# Altium PCB MAIN.PcbDoc (part 1 of 2) (continued)
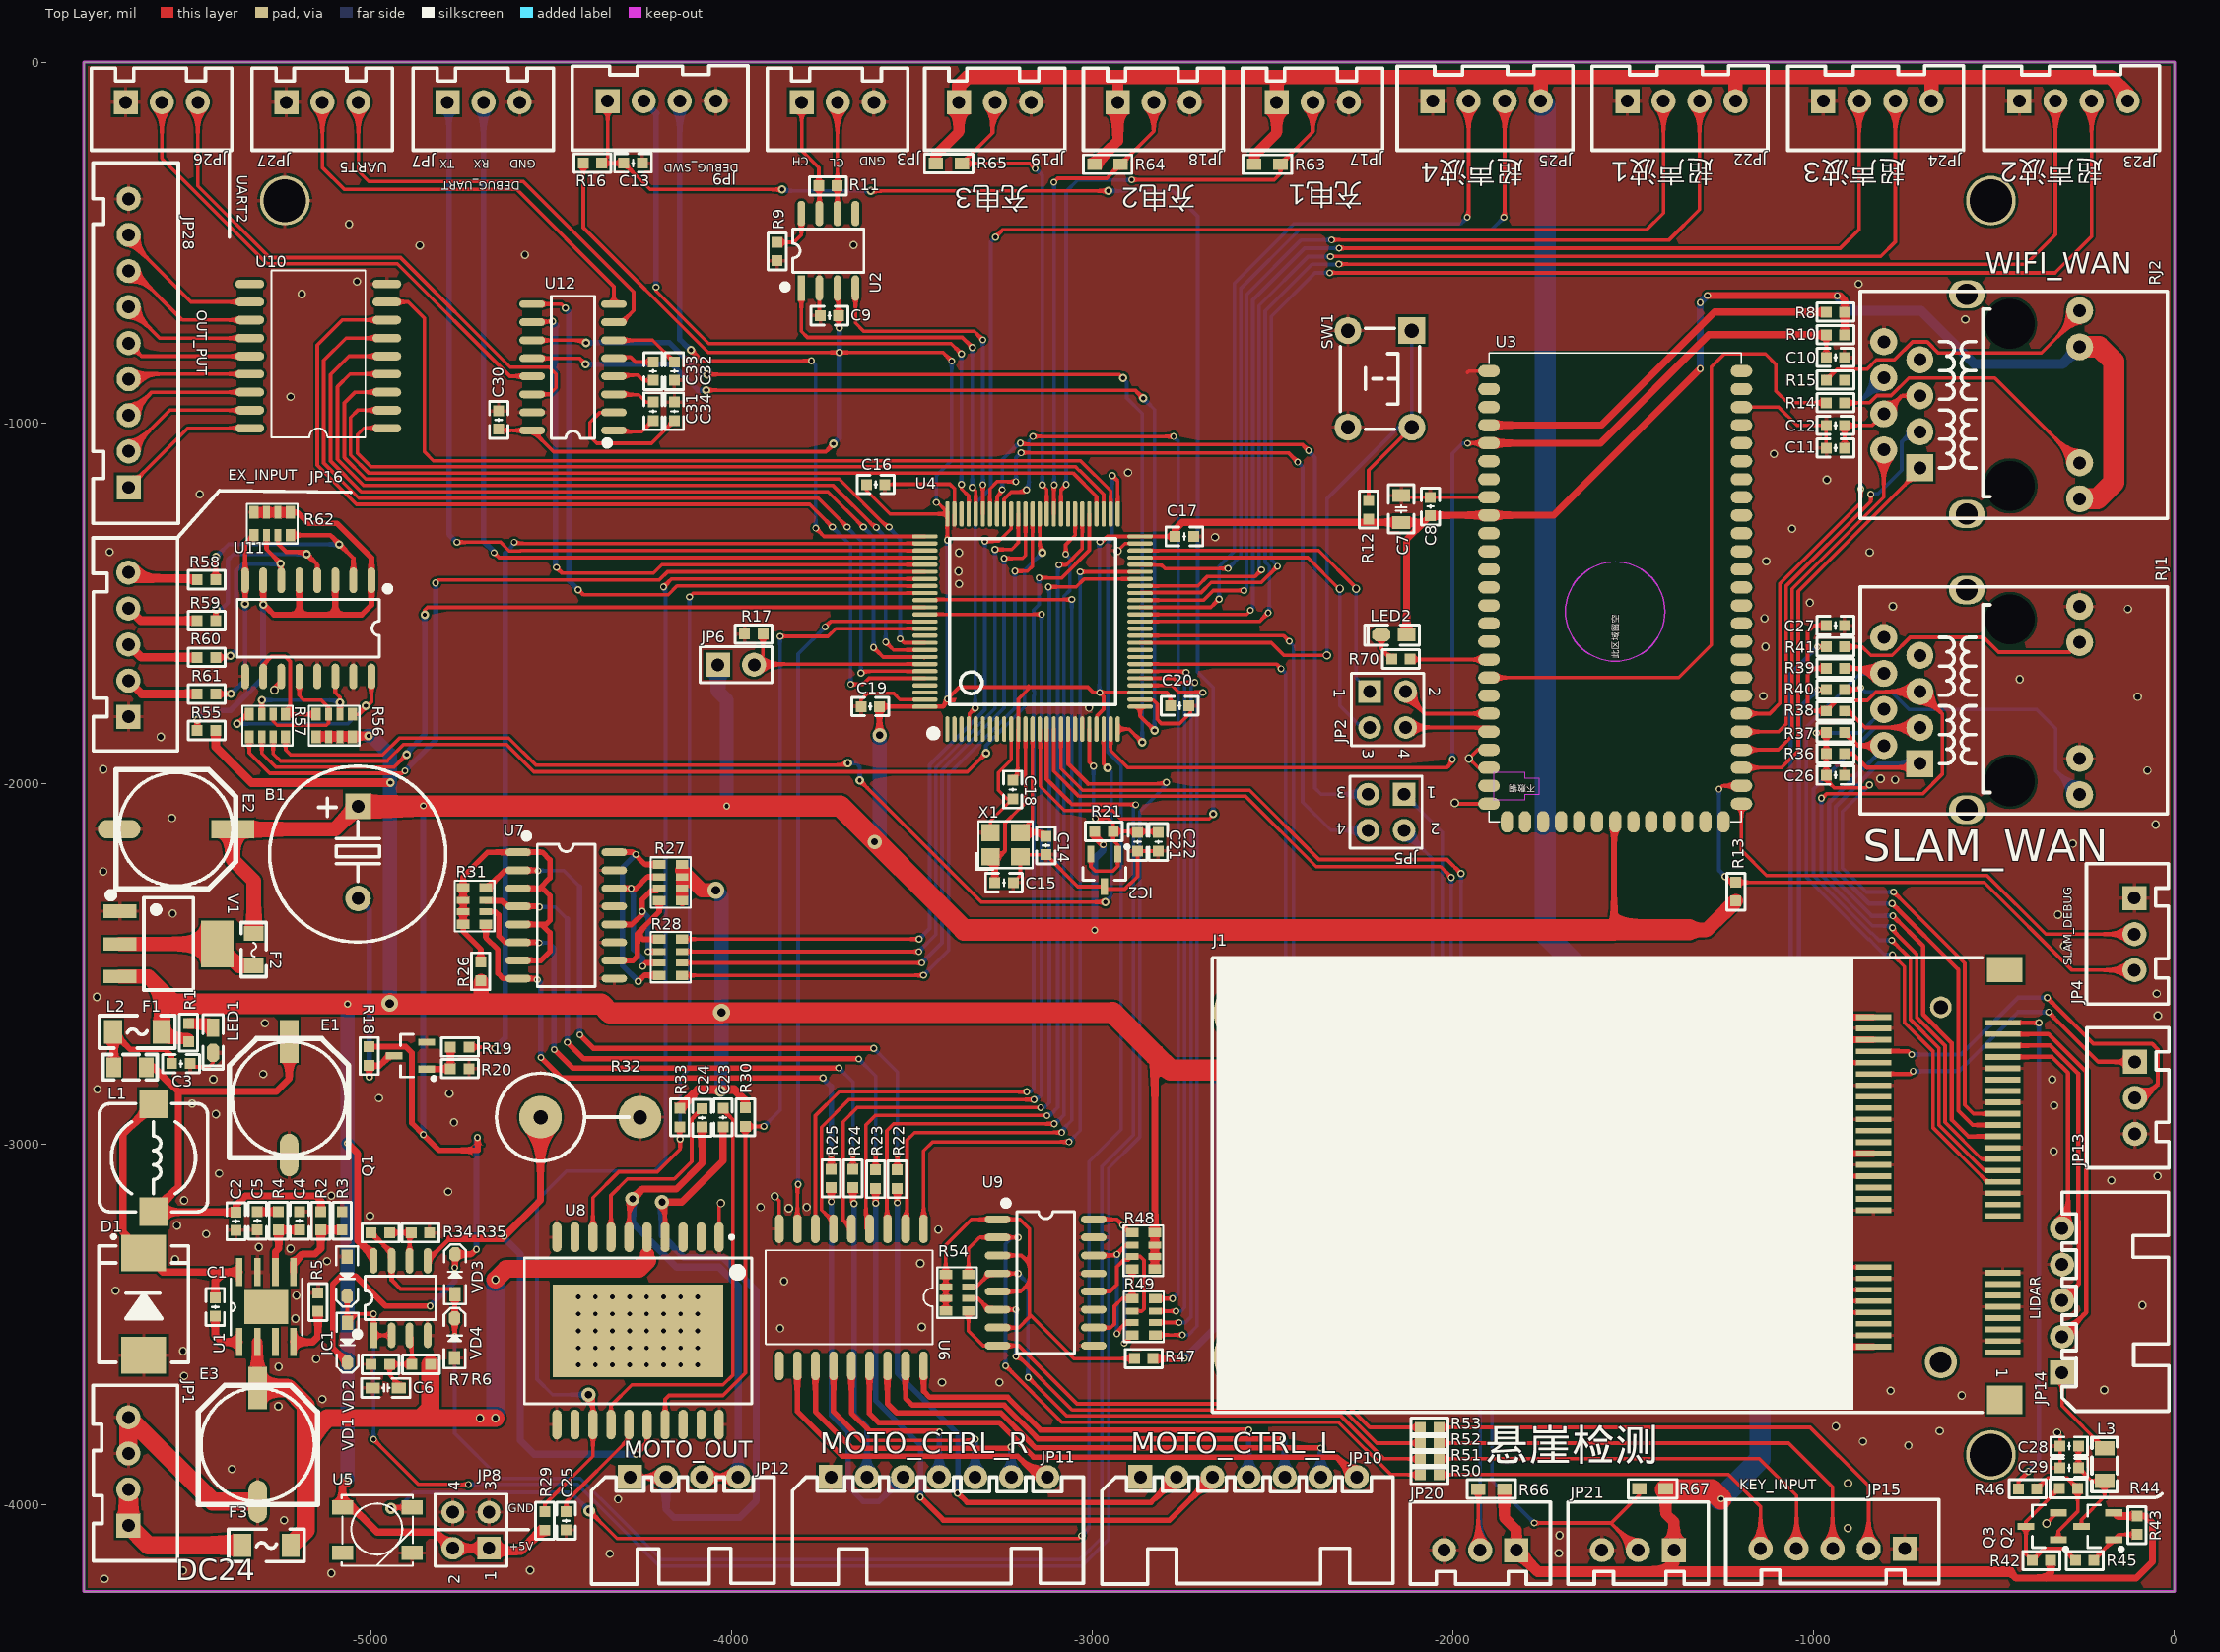
[diagram p0: Top Layer view]
## Footprints (in the part's own frame and the unit in brackets; to place one, negate y for a bottom-side part, rotate by r counter-clockwise, add the part's x,y. Pads: shape width x height; smd on the part's side, far side on the other; paste and mask are expansions set on the pad) (continued)
MINI_PCIE [mm]
  round 2.286 hole 1.524: 0(0.057,-0.073)
  round 1.524 hole 0.991: 0(0.057,24.927)
  rect 2.5x0.4 smd: 1(4.407,0.627) 2(-4.693,1.027) 3(4.407,1.427) 4(-4.693,1.827) 5(4.407,2.227) 6(-4.693,2.627) 7(4.407,3.027) 8(-4.693,3.427) 9(4.407,3.827) 10(-4.693,4.227) 11(4.407,4.627) 12(-4.693,5.027) 13(4.407,5.427) 14(-4.693,5.827) 15(4.407,6.227) 16(-4.693,6.627) 17(4.407,10.227) 18(-4.693,10.627) 19(4.407,11.027) 20(-4.693,11.427) 21(4.407,11.827) 22(-4.693,12.227) 23(4.407,12.627) 24(-4.693,13.027) 25(4.407,13.427) 26(-4.693,13.827) 27(4.407,14.227) 28(-4.693,14.627) 29(4.407,15.027) 30(-4.693,15.427) 31(4.407,15.827) 32(-4.693,16.227) 33(4.407,16.627) 34(-4.693,17.027) 35(4.407,17.427) 36(-4.693,17.827) 37(4.407,18.227) 38(-4.693,18.627) 39(4.407,19.027) 40(-4.693,19.427) 41(4.407,19.827) 42(-4.693,20.227) 43(4.407,20.627) 44(-4.693,21.027) 45(4.407,21.427) 46(-4.693,21.827) 47(4.407,22.227) 48(-4.693,22.627) 49(4.407,23.027) 50(-4.693,23.427) 51(4.407,23.827) 52(-4.693,24.227)
  round 5 hole 3: 53(-48.643,24.547) 54(-48.643,0.311)
  rect 2.5x1.8 smd: 55(4.557,27.577)
  rect 2.5x2 smd: 56(4.557,-2.723)
  silkscreen extent -51.25,-3.61 2.97,28.4, body extent -6.39,-3.65 6.17,28.5, height 1.7
"OSC 3225-4P" [mm]
  rect 1.3x1.2 smd: 1(-1.05,-0.85) 2(1.05,-0.85) 3(1.05,0.85) 4(-1.05,0.85)
  silkscreen extent -2.03,-1.75 1.91,1.65, body extent -1.6,-1.25 1.6,1.25, height 0.7
"R 0603_L" [mil]
  rect 30x30 smd: 1(-25.59,0) 2(25.59,0)
  silkscreen extent -51,-26 51,26, body extent -31,-16 32,16, height 16
"R 0603_M" [mil]
  rect 40x31.5 smd: 1(-36.5,0) 2(36.5,0)
  silkscreen extent -68,-26 68,26, body extent -31,-16 32,16, height 16
RCA-8P4R-0603 [mm]
  rect 0.65x0.9 smd: 1(-1.28,-0.8) 4(1.28,-0.8) 5(1.28,0.8) 8(-1.28,0.8)
  rect 0.5x0.9 smd: 2(-0.4,-0.8) 3(0.4,-0.8) 6(0.4,0.8) 7(-0.4,0.8)
  silkscreen extent -1.78,-1.4 1.78,1.4, body extent -1.6,-0.8 1.6,0.8, height 0.6
RJ-45A12 [mm]
  oval 2x2.5 hole 1.5: 0(-7.695,3.05) 0(7.785,3.05)
  round 3.302 hole 3.5: 0(-5.715,0) 0(5.715,0)
  rect 1.905x1.905 hole 0.9: 1(-4.445,6.35)
  round 1.905 hole 0.9: 2(-3.175,8.89) 3(-1.905,6.35) 4(-0.635,8.89) 5(0.635,6.35) 6(1.905,8.89) 7(3.175,6.35) 8(4.445,8.89) 9(-6.625,-4.9) 10(-4.085,-4.9) 11(4.085,-4.9) 12(6.625,-4.9)
  silkscreen extent -8,-11.1 8,10.54, body extent -7.97,-10.93 7.91,10.47, height 1.5
"RS 3W-V7" [mm]
  round 3 hole 1: 1(0,0) 2(7,0)
  silkscreen extent -3.1,-3.1 6.2,3.1, body extent -3.01,-3.01 7.4,3.01, height 19.9
SMC [mm]
  rect 2.6x3.15 smd: 1(-3.6,0) 2(3.6,0)
  silkscreen extent -4.1,-3.15 4.87,3.15, body extent -3.95,-2.9 3.95,2.9, height 2.45
SO-G18 [mil]
  oval 80x24 smd: 1(0,0) 2(0,-50) 3(0,-100) 4(0,-150) 5(0,-200) 6(0,-250) 7(0,-300) 8(0,-350) 9(0,-400) 10(380,-400) 11(380,-350) 12(380,-300) 13(380,-250) 14(380,-200) 15(380,-150) 16(380,-100) 17(380,-50) 18(380,0)
  silkscreen extent 60,-438 320,25
SO_PowerSO20 [mm]
  oval 0.65x2.1 smd: 1(-0.008,0.209) 2(1.262,0.209) 3(2.532,0.209) 4(3.802,0.209) 5(5.072,0.209) 6(6.342,0.209) 7(7.612,0.209) 8(8.882,0.209) 9(10.152,0.209) 10(11.422,0.209) 11(11.422,13.41) 12(10.152,13.41) 13(8.882,13.41) 14(7.612,13.41) 15(6.342,13.41) 16(5.072,13.41) 17(3.802,13.41) 18(2.532,13.41) 19(1.262,13.41) 20(-0.008,13.41)
  rect 12x6.5 smd: 21(5.707,6.81)
  silkscreen extent -2.29,0.08 13.71,11.93, body extent -2.29,1.31 13.71,12.31, height 3.6
SOD-323 [mm]
  rect 1x0.8 smd: 1(-1.4,0)
  oct 1x0.8 smd: 2(1.4,0)
  silkscreen extent -2.11,-0.76 2.11,0.76, body extent -1.34,-0.63 1.31,0.67, height 1
SOP8_1 [mil]
  rect 78x18.14 smd: 1(-100.1,75.9) 2(-100.1,25.9) 3(-100.1,-24.1) 4(-100.1,-74.1) 5(93.9,-74.1) 6(93.9,-24.1) 7(93.9,25.9) 8(93.9,75.9)
  rect 94x122 smd: 9(-3.1,0.9)
  silkscreen extent -82,-98 75,99
SOP8_N [mm]
  rect 1.8x0.55 smd: 1(-2.625,1.905)
  oval 1.8x0.55 smd: 2(-2.625,0.635) 3(-2.625,-0.635) 4(-2.625,-1.905) 5(2.625,-1.905) 6(2.625,-0.635) 7(2.625,0.635) 8(2.625,1.905)
  silkscreen extent -2.69,-2.5 1.52,3.2, body extent -3,-2.5 3,2.5, height 1.9
SOP16_n [mm]
  oval 1.8x0.55 smd: 1(-2.877,4.445) 2(-2.877,3.175) 3(-2.877,1.905) 4(-2.877,0.635) 5(-2.877,-0.635) 6(-2.877,-1.905) 7(-2.877,-3.175) 8(-2.877,-4.445) 9(2.877,-4.445) 10(2.877,-3.175) 11(2.877,-1.905) 12(2.877,-0.635) 13(2.877,0.635) 14(2.877,1.905) 15(2.877,3.175) 16(2.877,4.445)
  silkscreen extent -2.57,-5 1.52,5.49, body extent -3,-5 3,5, height 1.9
SOP16N_n [mm]
  oval 1.8x0.55 smd: 1(-3.385,4.445) 2(-3.385,3.175) 3(-3.385,1.905) 4(-3.385,0.635) 5(-3.385,-0.635) 6(-3.385,-1.905) 7(-3.385,-3.175) 8(-3.385,-4.445) 9(3.385,-4.445) 10(3.385,-3.175) 11(3.385,-1.905) 12(3.385,-0.635) 13(3.385,0.635) 14(3.385,1.905) 15(3.385,3.175) 16(3.385,4.445)
  silkscreen extent -2.95,-5 2.03,5.74, body extent -3.5,-5.25 3.5,5.25, height 1.9
SOT23-3N [mm]
  rect 0.5x1.2 smd: 1(-0.95,-1.143) 2(0.95,-1.143) 3(0,1.143)
  silkscreen extent -1.73,-1.78 1.5,0.7, body extent -1.5,-1.2 1.5,1.2, height 1.05
SOT223_M [mm]
  rect 0.95x2.3 smd: 1(-2.3,-3.429) 2(0,-3.429) 3(2.3,-3.429)
  rect 3.3x2.3 smd: 2(0,3.429)
  silkscreen extent -3.63,-4.26 3.25,1.75, body extent -3.25,-3.51 3.25,3.51, height 1.65
"TSW DIP-6*6*6" [mm]
  rect 1.9x1.9 hole 1: 1(-3.4,2.25)
  round 1.9 hole 1: 2(-3.4,-2.25) 3(3.4,-2.25) 4(3.4,2.25)
  silkscreen extent -3.56,-2.79 3.56,2.79, body extent -4.11,-3 4.11,3, height 5.95
Widora-BIT2 [mil]
  oval 60x34 smd mask+2: A1(-577.5,288.5) A2(-577.5,238.5) A3(-577.5,188.5) A4(-577.5,138.5) A5(-577.5,88.5) A6(-577.5,38.5) A7(-577.5,-11.5) A8(-577.5,-61.5) A9(-577.5,-111.5) A10(-577.5,-161.5) A11(-577.5,-211.5) A12(-577.5,-261.5) A13(-577.5,-311.5)
  oval 34x60 smd mask+2: B1(-527.5,-361.5) B2(-477.5,-361.5) B3(-427.5,-361.5) B4(-377.5,-361.5) B5(-327.5,-361.5) B6(-277.5,-361.5) B7(-227.5,-361.5) B8(-177.5,-361.5) B9(-127.5,-361.5) B10(-77.5,-361.5) B11(-27.5,-361.5) B12(22.5,-361.5) B13(72.5,-361.5) B14(122.5,-361.5) B15(172.5,-361.5) B16(222.5,-361.5) B17(272.5,-361.5) B18(322.5,-361.5) B19(372.5,-361.5) B20(422.5,-361.5) B21(472.5,-361.5) B22(522.5,-361.5) B23(572.5,-361.5) B24(622.5,-361.5) B25(672.5,-361.5) C1(-527.5,338.5) C2(-477.5,338.5) C3(-427.5,338.5) C4(-377.5,338.5) C5(-327.5,338.5) C6(-277.5,338.5) C7(-227.5,338.5) C8(-177.5,338.5) C9(-127.5,338.5) C10(-77.5,338.5) C11(-27.5,338.5) C12(22.5,338.5) C13(72.5,338.5) C14(122.5,338.5) C15(172.5,338.5) C16(222.5,338.5) C17(272.5,338.5) C18(322.5,338.5) C19(372.5,338.5) C20(422.5,338.5) C21(472.5,338.5) C22(522.5,338.5) C23(572.5,338.5) C24(622.5,338.5) C25(672.5,338.5)
  Keep-Out Layer circle w3.94: c5.63,-11.37 r137.8
  Keep-Out Layer pour cut-out: -516.11,325.47 -516.11,238.82 -500.41,238.82 -500.41,199.47 -457.06,199.47 -457.06,238.82 -441.31,238.82 -441.31,325.47
  silkscreen extent -578,-362 722,339
WS2812 [mm]
  rect 1.5x1 smd: 1(-0.079,-0.023) 2(-0.079,-3.223) 3(4.821,-3.223) 4(4.821,-0.023)
  silkscreen extent -0.13,-4.14 4.87,0.84
XH2.54-LI-3P [mm]
  rect 1.7x1.7 hole 0.9: 1(-2.54,0)
  round 1.7 hole 0.9: 2(0,0) 3(2.54,0)
  silkscreen extent -4.95,-3.38 4.93,2.39, body extent -5.04,-3.3 5.04,2.4, height 7.03
XH2.54-LI-4P [mm]
  rect 1.7x1.7 hole 0.9: 1(-3.81,0)
  round 1.7 hole 0.9: 2(-1.27,0) 3(1.27,0) 4(3.81,0)
  silkscreen extent -6.3,-3.45 6.07,2.49, body extent -6.31,-3.3 6.31,2.4, height 7.03
XH2.54-LI-5P [mm]
  rect 1.7x1.7 hole 0.9: 1(-5.08,0)
  round 1.7 hole 0.9: 2(-2.54,0) 3(0,0) 4(2.54,0) 5(5.08,0)
  silkscreen extent -7.48,-3.45 7.52,2.49, body extent -7.58,-3.3 7.58,2.4, height 7.03
XH2.54-LI-9P [mm]
  rect 1.7x1.7 hole 0.9: 1(-10.16,0)
  round 1.7 hole 0.9: 2(-7.62,0) 3(-5.08,0) 4(-2.54,0) 5(0,0) 6(2.54,0) 7(5.08,0) 8(7.62,0) 9(10.16,0)
  silkscreen extent -12.7,-3.5 12.7,2.5, body extent -12.66,-3.3 12.66,2.4, height 7.05
XH2.54-WI-4P [mm]
  rect 1.7x1.7 hole 0.9: 1(-3.81,0)
  round 1.7 hole 0.9: 2(-1.27,0) 3(1.27,0) 4(3.81,0)
  silkscreen extent -6.53,-7.53 6.35,0, body extent -6.31,-7.35 6.31,0.35, height 5.73
XH2.54-WI-5P [mm]
  rect 1.7x1.7 hole 0.9: 1(-5.08,0)
  round 1.7 hole 0.9: 2(-2.54,0) 3(0,0) 4(2.54,0) 5(5.08,0)
  silkscreen extent -7.8,-7.53 7.62,0, body extent -7.58,-7.35 7.58,0.35, height 5.73
XH2.54-WI-7P [mm]
  rect 1.7x1.7 hole 0.9: 1(-7.62,0)
  round 1.7 hole 0.9: 2(-5.08,0) 3(-2.54,0) 4(0,0) 5(2.54,0) 6(5.08,0) 7(7.62,0)
  silkscreen extent -10.34,-7.53 10.16,0, body extent -10.12,-7.35 10.12,0.35, height 5.75

## Part data
LED1 LED2: library part LED-SMD
U12: library part MAX23

## Free pads (board coordinates)
  round 137.8 hole 118.11 unplated: 1(-5238,-384) 1(-508,-3862) 1(-508,-384)

## Via types
v1: diameter 19.68, hole 11.81, Top Layer to Bottom Layer, 219 vias
v2: diameter 23.62, hole 15.75, Top Layer to Bottom Layer, 123 vias
v3: diameter 25.98, hole 12.99, Top Layer to Bottom Layer, tented top, 40 vias
v4: diameter 23.62, hole 11.81, Top Layer to Bottom Layer, 38 vias
v5: diameter 39.37, hole 19.68, Top Layer to Bottom Layer, 6 vias
v6: diameter 31.5, hole 15.75, Top Layer to Bottom Layer, 3 vias
v7: diameter 47.24, hole 23.62, Top Layer to Bottom Layer, 3 vias

## Nets (pads, with @x,y where several pads share a name; then routed paths per layer and width w, separated by ;. In a path a pad name is that pad's centre, name@x,y a point inside that pad or via, vN(x,y) a via of type N, cw(c..) or ccw(c..) an arc to the next point about the centre after c; other vN are vias at no path point)
3.3V: B1.1 C7.2 C8.2 C9.1 C16.2 C17.2 C18.2 C19.2 C20.2 C30.1 E2.1 F2.2 JP6.1 LED2.1 R8.1 R10.1 R12.2 R13.2 R16.1 R18.2 R21.2 RJ2.9 RJ2.11 U2.3 U3.A7 U3.C17 U4.11 U4.22 U4.28 U4.50 U4.75 U4.100 U12.16 VD1.2 VD3.2 | length 18558.7
  Top Layer w10: C30.1@-4645,-1017.59 -4641.59,-1021 U12.16@-4552.27,-1021 -4493.27,-1080 -3738,-1080 v4@-3714.5,-1056.5 ; R16.1@-4410.59,-280 -4410.59,-458.41 -4064,-805 v1(-3701,-805) -3413,-805 v1(-3389,-829) ; U2.3@-3706,-626.35 -3702.41,-629.94 C9.1@-3702.41,-703 -3702.41,-735.59 v1(-3701,-737) ; C16.2@-3625.59,-1171 -3625.59,-1187.41 -3560.24,-1252.76 U4.75@-3401.21,-1252.76 ; v1(-3432,-1221) -3432,-1217 -3401.21,-1247.79 U4.75@-3401.21,-1252.76 ; v1(-3401,-1766) -3368,-1733 -3011.66,-1733 -2996.66,-1748 v1(-2979,-1748) ; v1(-3401,-1325) -3401.21,-1318.79 U4.75@-3401.21,-1252.76 ; C18.2@-3221,-1981.41 -3209.99,-1981.41 -3206.14,-1977.56 -3206.14,-1851.02 U4.11@-3204.36,-1849.24 -3204.36,-1766.36 -3176,-1738 -3176,-1730 ; U4.22@-2987.83,-1849.24 -2986.05,-1847.46 -2986.05,-1812.3 -2968,-1794.25 -2968,-1759 v1(-2979,-1748) ; v1(-2978,-1330) -2972.44,-1330 -2957.22,-1314.78 U4.50@-2866.75,-1314.78 -2769.8,-1314.78 C17.2@-2769.59,-1315 ; C20.2@-2782.59,-1785 -2782.59,-1758.41 -2793.15,-1747.85 U4.28@-2866.75,-1747.85 -2978.85,-1747.85 v1(-2979,-1748) ; -2081,-1276 -2080.5,-1275.5
  Top Layer w11.81: C19.2@-3589.41,-1787 -3463.45,-1787 U4.100@-3463.24,-1787.22 -3412.22,-1787.22 v1(-3401,-1766)
  Top Layer w15.75: VD1.2@-5064,-3606.24 -5105,-3565.24 -5105,-3389 -5082,-3366 -5042,-3366 -4959,-3449 v1(-4835,-3449) ; R18.2@-5004,-2730.41 -5004,-2730.28 -4902.72,-2730.28 -4886,-2747 -4886,-2942 v1(-4854,-2974) -4810.59,-3017.41 -4703,-3017.41 -4703,-2983 v1(-4704,-2982) ; v1(-4767,-3343) -4766,-3342 VD3.2@-4766,-3305.88 -4720.88,-3305.88 v1(-4707,-3292) ; C19.2@-3589.41,-1787 -3589.41,-1865.59 v5(-3589,-1866) ; -1553,-2406 -1553,-2110 U3.A7@-1549.5,-2106.5
  Top Layer w19.68: R21.2@-2992.59,-2133 -2992.59,-2146.41 v1(-2969,-2170) ; C17.2@-2769.59,-1315 -2769.59,-1295.59 -2750,-1276 -2081,-1276 -2128,-1323 LED2.1@-2128,-1588.26 ; -2080.5,-1275.5 -2061.5,-1256.5 U3.C17@-1899.5,-1256.5 -1720.5,-1256.5 v1(-1314,-850) ; v1(-1294,-647) -926,-647 -913.41,-659.59 R8.1@-913.41,-693 R10.1@-913.41,-755.83
  Top Layer w39.37: -1345,-2406 -1295.42,-2406 R13.2@-1215,-2325.59
  Top Layer w40: F2.2@-5324,-2416 -5324,-2270 -5382.52,-2211.48 E2.1@-5382.52,-2127 -5098.95,-2127 B1.1@-5035,-2063.05
  Top Layer w59.06: B1.1@-5035,-2063.05 -3697.95,-2063.05 -3354.66,-2406.34 -1553.34,-2406.34 -1553,-2406 -1345,-2406 ; RJ2.9@-262.09,-1210.83 -212.83,-1210.83 -167,-1165 -167,-830 -207.82,-789.18 RJ2.11@-262.09,-789.18
  Bottom Layer w10: v1(-3432,-1221) -3432,-1147 -3389,-1104 v1(-3389,-829) ; v1(-2979,-1748) -2980,-1747 -2980,-1337 -2973,-1330 v1(-2978,-1330)
  Bottom Layer w11.81: v1(-3401,-1766) v1(-3401,-1325)
  Bottom Layer w15: v4(-3717,-1058) -3701,-1042 v1(-3701,-805) v1(-3701,-737)
  Bottom Layer w15.75: v1(-4854,-2974) v1(-4854,-2062) ; v1(-4835,-3449) -4767,-3381 v1(-4767,-3343) ; v1(-4707,-3292) -4707,-2985 v1(-4704,-2982)
  Bottom Layer w19.68: v1(-2993,-2407) -2993,-2209 -2969,-2185 v1@-2969,-2171 ; v1(-1314,-850) v1(-1314,-667) v1(-1294,-647)
  Bottom Layer w27.56: v1(-934,-648) -893,-689 -702,-689 -554,-837 -309.91,-837 RJ2.11@-262.09,-789.18
  Bottom Layer w39.37: JP6.1@-4037,-1671 -4037,-1745 -4013,-1769 v1(-4013,-2063) ; v5(-3603,-2162) -3589,-2148 v5(-3589,-1866)
5V: F1.2 IC1.8 J1.2 J1.28 J1.48 J1.52 JP8.1 JP8.2 JP17.1 JP18.1 JP19.1 JP20.1 JP21.1 JP22.4 JP23.4 JP24.4 JP25.4 Q2.2 R1.2 R26.1 R27.5 R27.6 R27.7 R27.8 R29.2 R30.2 R33.2 R42.2 R43.2 R47.1 R48.5 R48.6 R48.7 R48.8 R55.1 R56.5 R56.6 R56.7 R56.8 R63.2 R64.2 R65.2 R66.2 R67.2 U5.1 V1.3 | length 23894.6
  Top Layer w19.68: v1(-5064,-3927) -5064,-3941.8 -5071.4,-3934.4 -5078.1,-3941.1 U5.1@-5078.1,-4007.9 -5050.1,-4007.9 -4982,-4076 -4820,-4076 -4775,-4121 JP8.2@-4772,-4121 JP8.1@-4672,-4121 ; v1(-5064,-2998) -5036,-3026 -5036,-3268 -4992,-3312 IC1.8@-4992,-3323.65 ; R47.1@-2831.41,-3595 v1@-2752,-3595 ; R48.5@-2826.17,-3346.39 R48.6@-2826.17,-3311.75 R48.7@-2826.17,-3280.25 R48.8@-2826.17,-3245.61 -2826.17,-2751.83 ; v1(-1150,-3006) -1129.88,-3026.12 J1.28@-833.77,-3026.12 ; v1(-1148,-3539) -1125.45,-3561.55 J1.2@-833.77,-3561.55 ; v1(-1148,-2592) -1091.83,-2648.17 J1.52@-833.77,-2648.17 ; v1(-1147,-2700) -1126,-2700 -1114.84,-2711.16 J1.48@-833.77,-2711.16 ; -456,-4186 -438,-4204 -356,-4204 ; R42.2@-342.41,-4155 -342.41,-4190.41 -356,-4204 ; Q2.2@-167,-4022.6 -158.19,-4031.41 R43.2@-103,-4031.41 -79.59,-4031.41 -60,-4051 -60,-4159 -105,-4204 -356,-4204
  Top Layer w23.62: R55.1@-5429.41,-1853 -5429.41,-1898.59 -5330,-1998 v4(-4945,-1998) ; R56.5@-5151.39,-1868 v4(-5006,-1868) ; JP8.1@-4672,-4121 -4665,-4128 -4583,-4128 -4525.59,-4070.59 R29.2@-4517,-4070.59 ; R33.2@-4143,-2900.95 -4143,-2900 -4092,-2849 -3992,-2849 -3961,-2880 R30.2@-3961,-2899.95
  Top Layer w30: F1.2@-5579.5,-2689 -5561,-2707.5 -5505,-2707.5 R1.2@-5505,-2716.59 ; R27.5@-4136.5,-2325.39 R27.6@-4136.5,-2290.75 R27.7@-4136.5,-2259.25 -4136.5,-2241 ; R65.2@-3433.5,-281 -3433.5,-258.5 -3369,-194 JP19.1@-3369,-111 ; R64.2@-2993.5,-283 -2929,-218.5 JP18.1@-2929,-111 -2929,-59 ; R63.2@-2550.5,-283 -2550.5,-258.5 -2488,-196 JP17.1@-2488,-111 ; R66.2@-1856.5,-3957 -1856.5,-4037.5 -1824,-4070 JP20.1@-1824,-4126 -1764,-4186 -1411,-4186 ; R67.2@-1409.5,-3958.2 -1409.5,-4025.5 -1386.53,-4048.47 JP21.1@-1386.53,-4126 -1386.53,-4161.53 -1411,-4186 ; -456,-4186 -1411,-4186
  Top Layer w39.37: -4694,-2612 R26.1@-4694,-2547.59 ; -4136.5,-2241 -4081.5,-2296 v7(-4043,-2296) ; JP19.1@-3369,-111 -3369,-65 -3345,-41 -2473,-41 ; JP17.1@-2488,-111 -2488,-56 -2473,-41 ; JP25.4@-1756,-108 -1756,-46 ; JP22.4@-1216,-108 -1216,-49 ; JP24.4@-673,-108 -673,-49 ; JP23.4@-129,-108 -129,-88 -176,-41 -2473,-41
  Top Layer w40: V1.3@-5695,-2535.55 -5616.45,-2535.55 -5579.5,-2572.5 ; F1.2@-5579.5,-2689 -5579.5,-2572.5 ; -5540,-2612 -5579.5,-2572.5
  Top Layer w59.06: -5540,-2612 v7(-4947,-2610) v1(-5064,-2612) -4694,-2612 -4361,-2612 -4336.77,-2636.17 -4027,-2635.98 -2942.7,-2635.3 -2826.17,-2751.83 -2783,-2795 -1818,-2795 -1615,-2592 v1(-1148,-2592) ; R67.2@-1409.5,-3958.2 -1281.8,-3958.2 v1(-1256,-3984)
  Bottom Layer w19.68: v6(-4030,-2853) v6@-4027,-2850 ; v1(-2744,-3594) -2743,-3594 -2663,-3514 -2663,-2817 v1(-2640,-2794)
  Bottom Layer w39.37: v1(-5064,-3927) v1(-5064,-2998) v1(-5064,-2612) ; v4(-5006,-1868) -4998,-1868 -4947,-1919 v7(-4947,-2610) ; v7(-4043,-2296) -4027,-2312 v7(-4027,-2635) v6@-4027,-2850
  Bottom Layer w59.06: JP25.4@-1756,-108 -1744,-120 -1744,-2418 v5(-1568,-2594) ; v1@-1260,-3986 -1148,-3874 v1(-1148,-3539) v1(-1148,-2592)
BEEP_PWM: R19.2 U4.77 | length 2639.6
  Top Layer w10: R19.2@-4727.41,-2731 -4660,-2731 v1(-4656,-2735) ; v1(-4602,-1331) -4598.54,-1334.46 U4.77@-3463.24,-1334.46
  Bottom Layer w10: -4627,-1362 -4602,-1337 v1(-4602,-1331)
  Bottom Layer w15: v1(-4656,-2735) -4627,-2706 -4627,-1362
BOOT0: JP6.2 R17.2 U4.94 | length 574.1
  Top Layer w10: JP6.2@-3935.11,-1669.11 U4.94@-3463.24,-1669.11 ; JP6.2@-3932,-1676 JP6.2@-3937,-1671 -3912.41,-1646.41 R17.2@-3912.41,-1586
CAN_RX: U2.4 U4.70 | length 952.2
  Top Layer w10: U2.4@-3656,-626.35 -3656,-723 -3633,-746 -3326.58,-746 v1(-3302.79,-769.79) ; U4.70@-3302.79,-1252.76 v1(-3302.79,-1171.79)
  Bottom Layer w10: v1(-3302.79,-1171.79) v1(-3302.79,-769.79)
CAN_TX: U2.1 U4.71 | length 1078
  Top Layer w10: U2.1@-3806,-626.35 -3806,-746 -3789,-763 -3360,-763 v1(-3332,-791) ; v1(-3332,-1179) -3322.47,-1188.53 U4.71@-3322.47,-1252.76
  Bottom Layer w10: v1(-3332,-1179) v1(-3332,-791)
CANH: JP3.1 R11.2 U2.7 | length 328.9
  Top Layer w10: JP3.1@-3805,-111 -3805,-245 -3757.59,-292.41 R11.2@-3757.59,-343 -3756,-344.58 U2.7@-3756,-419.65
CANL: JP3.2 R11.1 U2.6 | length 309.1
  Top Layer w10: U2.6@-3706,-419.65 -3706,-112 JP3.2@-3705,-111
CBUSY: J1.8 U4.36 | length 3848
  Top Layer w10: U4.36@-2866.75,-1590.37 -2468.63,-1590.37 v1@-2452.5,-1606.5 ; v1(-2404,-3420) -2356.94,-3467.06 J1.8@-833.77,-3467.06
  Bottom Layer w10: v1(-2453,-1606) -2441.16,-1617.84 -2441.16,-2549.8 -2404,-2586.96 v1@-2404,-3423
CC: IC1.5 R32.1 U8.16 | length 1624.9
  Top Layer w11.81: IC1.5@-4842,-3323.65 -4780.35,-3262
  Top Layer w15.75: v1(-4264,-3860) -4233.7,-3829.7 U8.16@-4233.7,-3777.96
  Top Layer w19.68: -4780.35,-3262 -4635,-3262 -4529,-3156 R32.1@-4529,-2925.54
  Bottom Layer w19.68: v1@-4630,-3260 -4585,-3305 -4585,-3822 -4547,-3860 v1(-4264,-3860)
  other v1: -4630,-3256
CHARGECHECK_1: JP17.2 R63.1 U4.59 | length 1747.2
  Top Layer w10: U4.59@-3086.25,-1252.76 -3086.25,-1186.25 -3072,-1172 v1(-3072,-1171) ; v1(-2890,-326) -2495,-326 -2477.5,-308.5 R63.1@-2477.5,-283 -2388,-193.5 JP17.2@-2388,-111
  Bottom Layer w10: v1(-3072,-1171) -3072,-359 -3040,-327 v1@-2892,-327
CHARGECHECK_2: JP18.2 R64.1 U4.60 | length 1338.3
  Top Layer w10: v1(-3106,-333) -3095,-322 -2959.5,-322 R64.1@-2920.5,-283 -2829,-191.5 JP18.2@-2829,-111 ; U4.60@-3105.94,-1252.76 -3105.94,-1172.94 v1(-3105,-1172)
  Bottom Layer w10: v1(-3105,-1172) v1@-3105,-331
CHARGECHECK_3: JP19.2 R65.1 U4.61 | length 1388.5
  Top Layer w10: JP19.2@-3269,-111 -3276,-118 -3276,-196.5 R65.1@-3360.5,-281 -3172,-281 v1(-3158,-295) ; v1(-3138,-1172) -3125.62,-1184.38 U4.61@-3125.62,-1252.76
  Bottom Layer w10: v1(-3158,-295) -3156,-295 -3138,-313 v1(-3138,-1172)
CLIFFSENSOR_1: JP21.2 R67.1 U4.17 | length 3670.6
  Top Layer w10: U4.17@-3086.25,-1849.24 -3086.25,-1958.75 -3026.09,-2018.91 -2563.09,-2018.91 -2371,-2211 -2016,-2211 v1(-1977,-2250) ; v1(-1774,-4051) -1560.5,-4051 -1482.5,-3973 R67.1@-1482.5,-3956 ; -1561.02,-4051.52 JP21.2@-1486.53,-4126
  Bottom Layer w10: v1(-1977,-2250) -1977,-3384.96 -1891,-3470.96 -1891,-3934 v1(-1774,-4051)
CLIFFSENSOR_2: JP20.2 R66.1 U4.16 | length 3410.3
  Top Layer w10: U4.16@-3105.94,-1849.24 -3105.94,-1966.06 -3036.09,-2035.91 -2574.09,-2035.91 -2379,-2231 -2034,-2231 v1(-2004,-2261) ; R66.1@-1929.5,-3957 -1929.5,-4120.5 JP20.2@-1924,-4126
  Bottom Layer w10: v1(-2004,-2261) -2004,-3382 -1924,-3462 JP20.2@-1924,-4126
CPURST_N: C10.2 R10.2 U3.C21 U4.24 | length 3123.5
  Top Layer w10: U4.24@-2948.46,-1849.24 -2948.46,-1908.54 -2901,-1956 -2016,-1956 -2001,-1941 v1(-2001,-1933) ; v1@-1958.5,-1056.5 U3.C21@-1899.5,-1056.5 ; C10.2@-964.59,-818.66 R10.2@-964.59,-755.83
  Top Layer w19.68: U3.C21@-1899.5,-1056.5 -1590.5,-1056.5 -1289.83,-755.83 R10.2@-964.59,-755.83
  Bottom Layer w10: v1(-2001,-1933) -2001,-1085 -1973,-1057 v1(-1959,-1057)
CRX: J1.10 JP5.1 | length 2623.6
  Top Layer w10: v1(-1992.43,-3435.57) J1.10@-833.77,-3435.57
  Bottom Layer w10: JP5.1@-2135,-2030 -2029,-2136 -2029,-3400 v1@-1992.93,-3436.07
CTX: J1.12 JP5.2 | length 2517.4
  Top Layer w10: v1@-2056,-3369 -2056,-3379 -2031,-3404 -833.77,-3404 J1.12@-833.77,-3404.07
  Bottom Layer w10: JP5.2@-2135,-2130 -2056,-2209 v1@-2056,-3372
  other v1: -2056,-3373
CURC: IC1.7 R34.2 U4.15 VD3.1 VD4.2 | length 5181.6
  Top Layer w10: -3063.09,-2050.91 -3055.84,-2058.16 v1@-2879,-2058.16
  Top Layer w11.81: R34.2@-4998.59,-3246 -4942,-3302.58 IC1.7@-4942,-3323.65 -4942,-3377 -4917,-3402 -4782.12,-3402 -4767,-3417.12 VD4.2@-4767,-3482.88 v1(-4767,-3534) ; U4.15@-3125.62,-1849.24 -3125.62,-1988.38 -3063.09,-2050.91
  Bottom Layer w10: v1(-4767,-3534) -4767,-3802 -4642,-3927 -4419,-3927 -4311,-4035 ; -4311,-4035.04 -4195.04,-4151 ; -4195,-4151 -4193,-4153 -3035.04,-4153 -2973.16,-4091.12 -2973.16,-3062.12 -2885,-2973.96 -2885,-2065 v1(-2879,-2059)
DRX: J1.46 JP13.2 | length 1093.1
  Top Layer w11.81: J1.46@-833.77,-2742.65 -737.35,-2742.65 v1(-728,-2752) ; v1(-352,-2594) -224,-2722 -61,-2722 -45,-2738 -45,-2834 -83,-2872 JP13.2@-108.62,-2872
  Bottom Layer w11.81: v1(-728,-2752) -591,-2752 -433,-2594 v1(-352,-2594)
DTX: J1.42 JP13.1 | length 853.4
  Top Layer w11.81: J1.42@-833.77,-2805.65 -731.65,-2805.65 v1(-724,-2798) ; v1(-348,-2634) -210,-2772 JP13.1@-108.62,-2772
  Bottom Layer w11.81: v1(-724,-2798) -597,-2798 -433,-2634 v1(-348,-2634)
ENABLE_C: R30.1 U4.89 U8.17 | length 2846.2
  Top Layer w10: U8.17@-4183.7,-3777.96 -4183.7,-3707.7 -4173,-3697 -4023,-3697 -3961,-3635 R30.1@-3961,-2951.13 -3910.13,-2951.13 v1(-3910,-2951) ; v1(-3865,-1592) -3732,-1592 -3710.68,-1570.69 U4.89@-3463.24,-1570.69
  Bottom Layer w10: v1(-3910,-2951) -3865,-2906 v1(-3865,-1592)
ETH_RREF: C27.2 J1.27 R38.1 R39.1 RJ1.5 | length 2579.8
  Top Layer w10: v1@-977,-2042 -964,-2029 -697.03,-2029 -643,-1974.97 -643,-1806.99 RJ1.5@-705,-1745 -705.5,-1745.5 -825.5,-1745.5 -850,-1770 -935.45,-1770 R38.1@-964.59,-1799.14 -1000.86,-1799.14 -1016,-1784 -1016,-1698 -998.57,-1680.57 R39.1@-964.59,-1680.57 -1002.43,-1680.57 -1016,-1667 -1016,-1580 -998,-1562 C27.2@-964.59,-1562 ; v1(-781,-2400) -781,-2406.11 -714,-2473.11 -714,-2647.96 -635,-2726.96 -635,-2940 -533.13,-3041.87 J1.27@-475.5,-3041.87
  Bottom Layer w10: v1(-978,-2041) -978,-2253.25 -836.33,-2394.92 -781,-2394.92 v1(-781,-2400)
ETH_RX+: J1.25 R38.2 RJ1.3 | length 1927
  Top Layer w10: R38.2@-902.86,-1799.14 -857,-1845 RJ1.3@-705,-1845 ; v1(-783,-2435) -731,-2487 -731,-2655 -652,-2734 -652,-2947.04 -525.68,-3073.36 J1.25@-475.5,-3073.36
  Top Layer w11.81: R38.2@-913.41,-1799.14 R38.2@-902.86,-1799.14
  Bottom Layer w10: v1(-783,-2435) -818.07,-2435 -837.91,-2415.16 -840.13,-2415.16 -999.84,-2255.45 -999.84,-2015.84 -829,-1845 RJ1.3@-705,-1845 RJ1.3@-705,-1853.03
ETH_RX-: J1.23 R39.2 RJ1.6 | length 1916.7
  Top Layer w10: R39.2@-913.41,-1680.57 -819.43,-1680.57 RJ1.6@-805,-1695 ; v1(-781,-2475) -748,-2508 -748,-2663 -669,-2742 -669,-2954.08 -518.22,-3104.86 J1.23@-475.5,-3104.86
  Bottom Layer w10: RJ1.6@-805,-1695 -871,-1695 -1020,-1844 -1020,-2259.33 -847.17,-2432.16 -844.95,-2432.16 -832.16,-2444.95 -832.16,-2445.88 -803.04,-2475 v1(-781,-2475)
ETH_TREF: C26.2 J1.35 R36.1 R37.1 RJ1.4 | length 1724.3
  Top Layer w10: v1(-992,-1860) -990.43,-1858.43 R37.1@-964.59,-1858.43 R36.1@-964.59,-1917.71 C26.2@-964.59,-1977 -964.59,-1990.41 -943,-2012 -853,-2012 v1(-845,-2004) ; v1(-778,-2301) -580.38,-2498.62 -580.38,-2891.72 -556.21,-2915.88 J1.35@-475.5,-2915.88
  Bottom Layer w10: v1(-992,-1860) -870,-1860 RJ1.4@-805,-1795 ; v1(-845,-2004) -920.28,-2079.28 -920.28,-2233.72 -853,-2301 v1(-778,-2301)
ETH_TX+: J1.33 R36.2 RJ1.1 | length 1672.7
  Top Layer w11.81: R36.2@-913.41,-1917.71 -890.29,-1917.71 -852,-1956 -716,-1956 RJ1.1@-705,-1945 ; v1(-782,-2333) -781.83,-2333 -598.28,-2516.55 -598.28,-2907.72 -558.62,-2947.38 J1.33@-475.5,-2947.38
  Bottom Layer w11.81: v1(-782,-2333) -846.32,-2333 -938.19,-2241.13 -938.19,-2064.19 -819.4,-1945.4 -705.4,-1945.4 RJ1.1@-705,-1945
ETH_TX-: J1.31 R37.2 RJ1.2 | length 1560.1
  Top Layer w11.81: R37.2@-913.41,-1858.43 -876.83,-1895 RJ1.2@-805,-1895 ; v1(-780,-2367) -696.09,-2450.91 -696.09,-2640.54 -617.09,-2719.54 -617.09,-2932.42 -570.64,-2978.88 J1.31@-475.5,-2978.88
  Bottom Layer w11.81: RJ1.2@-805,-1895 -805,-1901.92 -957,-2053.92 -957,-2248.92 -838.92,-2367 v1(-780,-2367)
EXIN1: R58.1 R62.8 U11.2 | length 682.3
  Top Layer w11.81: R58.1@-5429.41,-1435 -5429.41,-1372.41 v4(-5429,-1372) ; R62.8@-5222.61,-1311.5 -5111.5,-1311.5 -5047.93,-1375.07 U11.2@-5047.93,-1436.7
  Bottom Layer w11.81: v4(-5429,-1372) -5394,-1337 v4(-5087,-1337)
EXIN2: R59.1 R62.7 U11.4 | length 616.1
  Top Layer w11.81: R59.1@-5429.41,-1548.66 -5429.41,-1519.41 v4(-5428,-1518) ; R62.7@-5257.25,-1311.5 -5257.25,-1334.75 -5234,-1358 -5183,-1358 v4(-5177,-1364) -5147.93,-1393.07 U11.4@-5147.93,-1436.7
  Bottom Layer w11.81: v4(-5428,-1518) -5415,-1518 -5396,-1499 -5396,-1380 -5380,-1364 v4(-5177,-1364)
EXIN3: R60.1 R62.6 U11.6 | length 567.2
  Top Layer w11.81: R60.1@-5429.41,-1650.33 -5393.33,-1650.33 v4(-5389,-1646) ; R62.6@-5288.75,-1311.5 -5288.75,-1350.25 -5247.93,-1391.07 U11.6@-5247.93,-1436.7
  Bottom Layer w11.81: v4@-5395,-1653 -5372,-1630 -5372,-1512.95 -5372.64,-1512.31 -5372.64,-1410.64 -5353,-1391 v4(-5250,-1391)
EXIN4: R61.1 R62.5 U11.8 | length 516.8
  Top Layer w11.81: R61.1@-5429.41,-1752 -5389,-1752 v4(-5388,-1751) ; v4@-5344.07,-1502.07 v4(-5347.93,-1502.07) U11.8@-5347.93,-1436.7 -5347.93,-1336.03 R62.5@-5323.39,-1311.5
  Bottom Layer w11.81: v4@-5390,-1755 -5347.93,-1712.93 v4(-5347.93,-1502.07)
EXINPUT1: R57.1 U4.81 | length 2427.5
  Top Layer w10: R57.1@-5336.39,-1871.5 -5336.39,-1915.61 -5280,-1972 -4912,-1972 v1(-4905,-1965) ; v1(-4820,-1444) -4812,-1436 -4199.89,-1436 -4177.09,-1413.2 U4.81@-3463.24,-1413.2
  Bottom Layer w15: v1(-4905,-1965) -4820,-1880 v1(-4820,-1444)
EXINPUT2: R57.2 U4.86 | length 2291.4
  Top Layer w10: R57.2@-5301.75,-1871.5 -5301.75,-1916.25 -5263,-1955 -4935,-1955 v4(-4900,-1920) v4@-4897,-1920 ; v4(-4850,-1532) -4850,-1519.26 -4842.37,-1511.63 U4.86@-3463.24,-1511.63
  Bottom Layer w15: v4(-4900,-1920) -4900,-1914 -4850,-1864 v4(-4850,-1532)
EXINPUT3: R57.3 U4.62 | length 2836.5
  Top Layer w10: R57.3@-5270.25,-1871.5 -5270.25,-1917.75 -5250,-1938 -4953,-1938 -4953,-1936 -4909,-1892 -4623.25,-1892 -4547.44,-1967.81 -3345.81,-1967.81 v4(-3294,-1916) ; U4.62@-3145.31,-1252.76 -3145.31,-1352.69 v4(-3138,-1360)
  Bottom Layer w10: v4@-3294.48,-1917.48 -3294.48,-1895.52 -3187,-1788.04 -3187,-1409 v4(-3138,-1360)
EXINPUT4: R57.4 U4.23 | length 3047.5
  Top Layer w10: R57.4@-5235.61,-1871.5 -5235.61,-1907.39 -5222,-1921 -4967,-1921 -4920,-1874 -4617.21,-1874 -4542.21,-1949 -3682,-1949 v4(-3677,-1944) ; v4(-3644,-1992) -3307,-2329 v4(-2963,-2329) ; U4.23@-2968.14,-1849.24 -2968.14,-1945.86 v4(-2957,-1957)
  Bottom Layer w10: v4(-3677,-1944) -3654,-1944 -3644,-1954 v4(-3644,-1992) ; v4(-2963,-2329) -2963,-2325 -2962,-2324 -2960,-2326 -2947.16,-2313.16 -2947.16,-1966.84 v4(-2957,-1957)
EXOUT1: U4.53 U10.1 | length 2311.4
  Top Layer w10: U10.1@-4955,-1015 -5019,-1015 -5037,-1033 -5037,-1084 -4999,-1122 -3045.96,-1122 -3035.46,-1132.5 -3033.5,-1132.5 -2968.14,-1197.86 U4.53@-2968.14,-1252.76
EXOUT2: U4.54 U10.2 | length 2377.8
  Top Layer w10: U10.2@-4955,-965 -5036,-965 -5056,-985 -5056,-1089.04 -5006.04,-1139 -3053,-1139 -2987.83,-1204.17 U4.54@-2987.83,-1252.76
EXOUT3: U4.91 U10.3 | length 2267
  Top Layer w10: U10.3@-4955,-915 -5043,-915 -5073,-945 -5073,-1096.08 -5013.08,-1156 -3701.11,-1156 -3568.11,-1289 v1(-3563,-1289) ; v1(-3532,-1599) -3520.94,-1610.06 U4.91@-3463.24,-1610.06
  Bottom Layer w10: v1@-3564,-1290 -3532,-1322 v1(-3532,-1599)
EXOUT4: U4.92 U10.4 | length 2371.7
  Top Layer w10: U10.4@-4955,-865 -5057,-865 -5092,-900 -5092,-1101.12 -5019.12,-1174 -3718.11,-1174 -3602.11,-1290 v1(-3598,-1290) ; v1(-3572,-1608) -3550.26,-1629.74 U4.92@-3463.24,-1629.74
  Bottom Layer w10: v1@-3597.5,-1289.5 -3597.5,-1292.54 -3572,-1318.04 v1(-3572,-1608)
EXOUT5: U4.93 U10.5 | length 2471.8
  Top Layer w10: U10.5@-4955,-815 -5060,-815 -5111,-866 -5111,-1106.17 -5026.17,-1191 -3732,-1191 v1(-3634,-1289) ; v1(-3606,-1623) -3579.57,-1649.43 U4.93@-3463.24,-1649.43 U4.93@-3465.02,-1651.2
  Bottom Layer w10: v1(-3634,-1289) -3606,-1317 v1(-3606,-1623)
EXOUT6: U4.95 U10.6 | length 2606.9
  Top Layer w10: U10.6@-4955,-765 -5068,-765 -5130,-827 -5130,-1111.21 -5032.21,-1209 -3759,-1209 v1(-3679,-1289) ; v1@-3638,-1694 -3632.8,-1688.8 U4.95@-3463.24,-1688.8
  Bottom Layer w10: v1@-3679.5,-1289.5 -3641,-1328 v1(-3641,-1694)
EXOUT7: U4.96 U10.7 | length 2723.7
  Top Layer w10: U10.7@-4955,-715 -5079,-715 -5148,-784 -5148,-1117.25 -5039.25,-1226 -3783,-1226 v1(-3720,-1289) ; v1(-3669,-1725) -3635,-1725 -3618.48,-1708.48 U4.96@-3463.24,-1708.48
  Bottom Layer w10: v1(-3720,-1289) -3669,-1340 v1(-3669,-1725)
EXOUT8: U4.52 U10.8 | length 2504.4
  Top Layer w10: U10.8@-4955,-665 -4896,-665 -4851,-710 -4851,-1080 -4826,-1105 -3032,-1105 -2948.46,-1188.54 U4.52@-2948.46,-1252.76